# Allegro board 1155001-Timing_board_V3_20241024_1805_pcb.brd (continued)
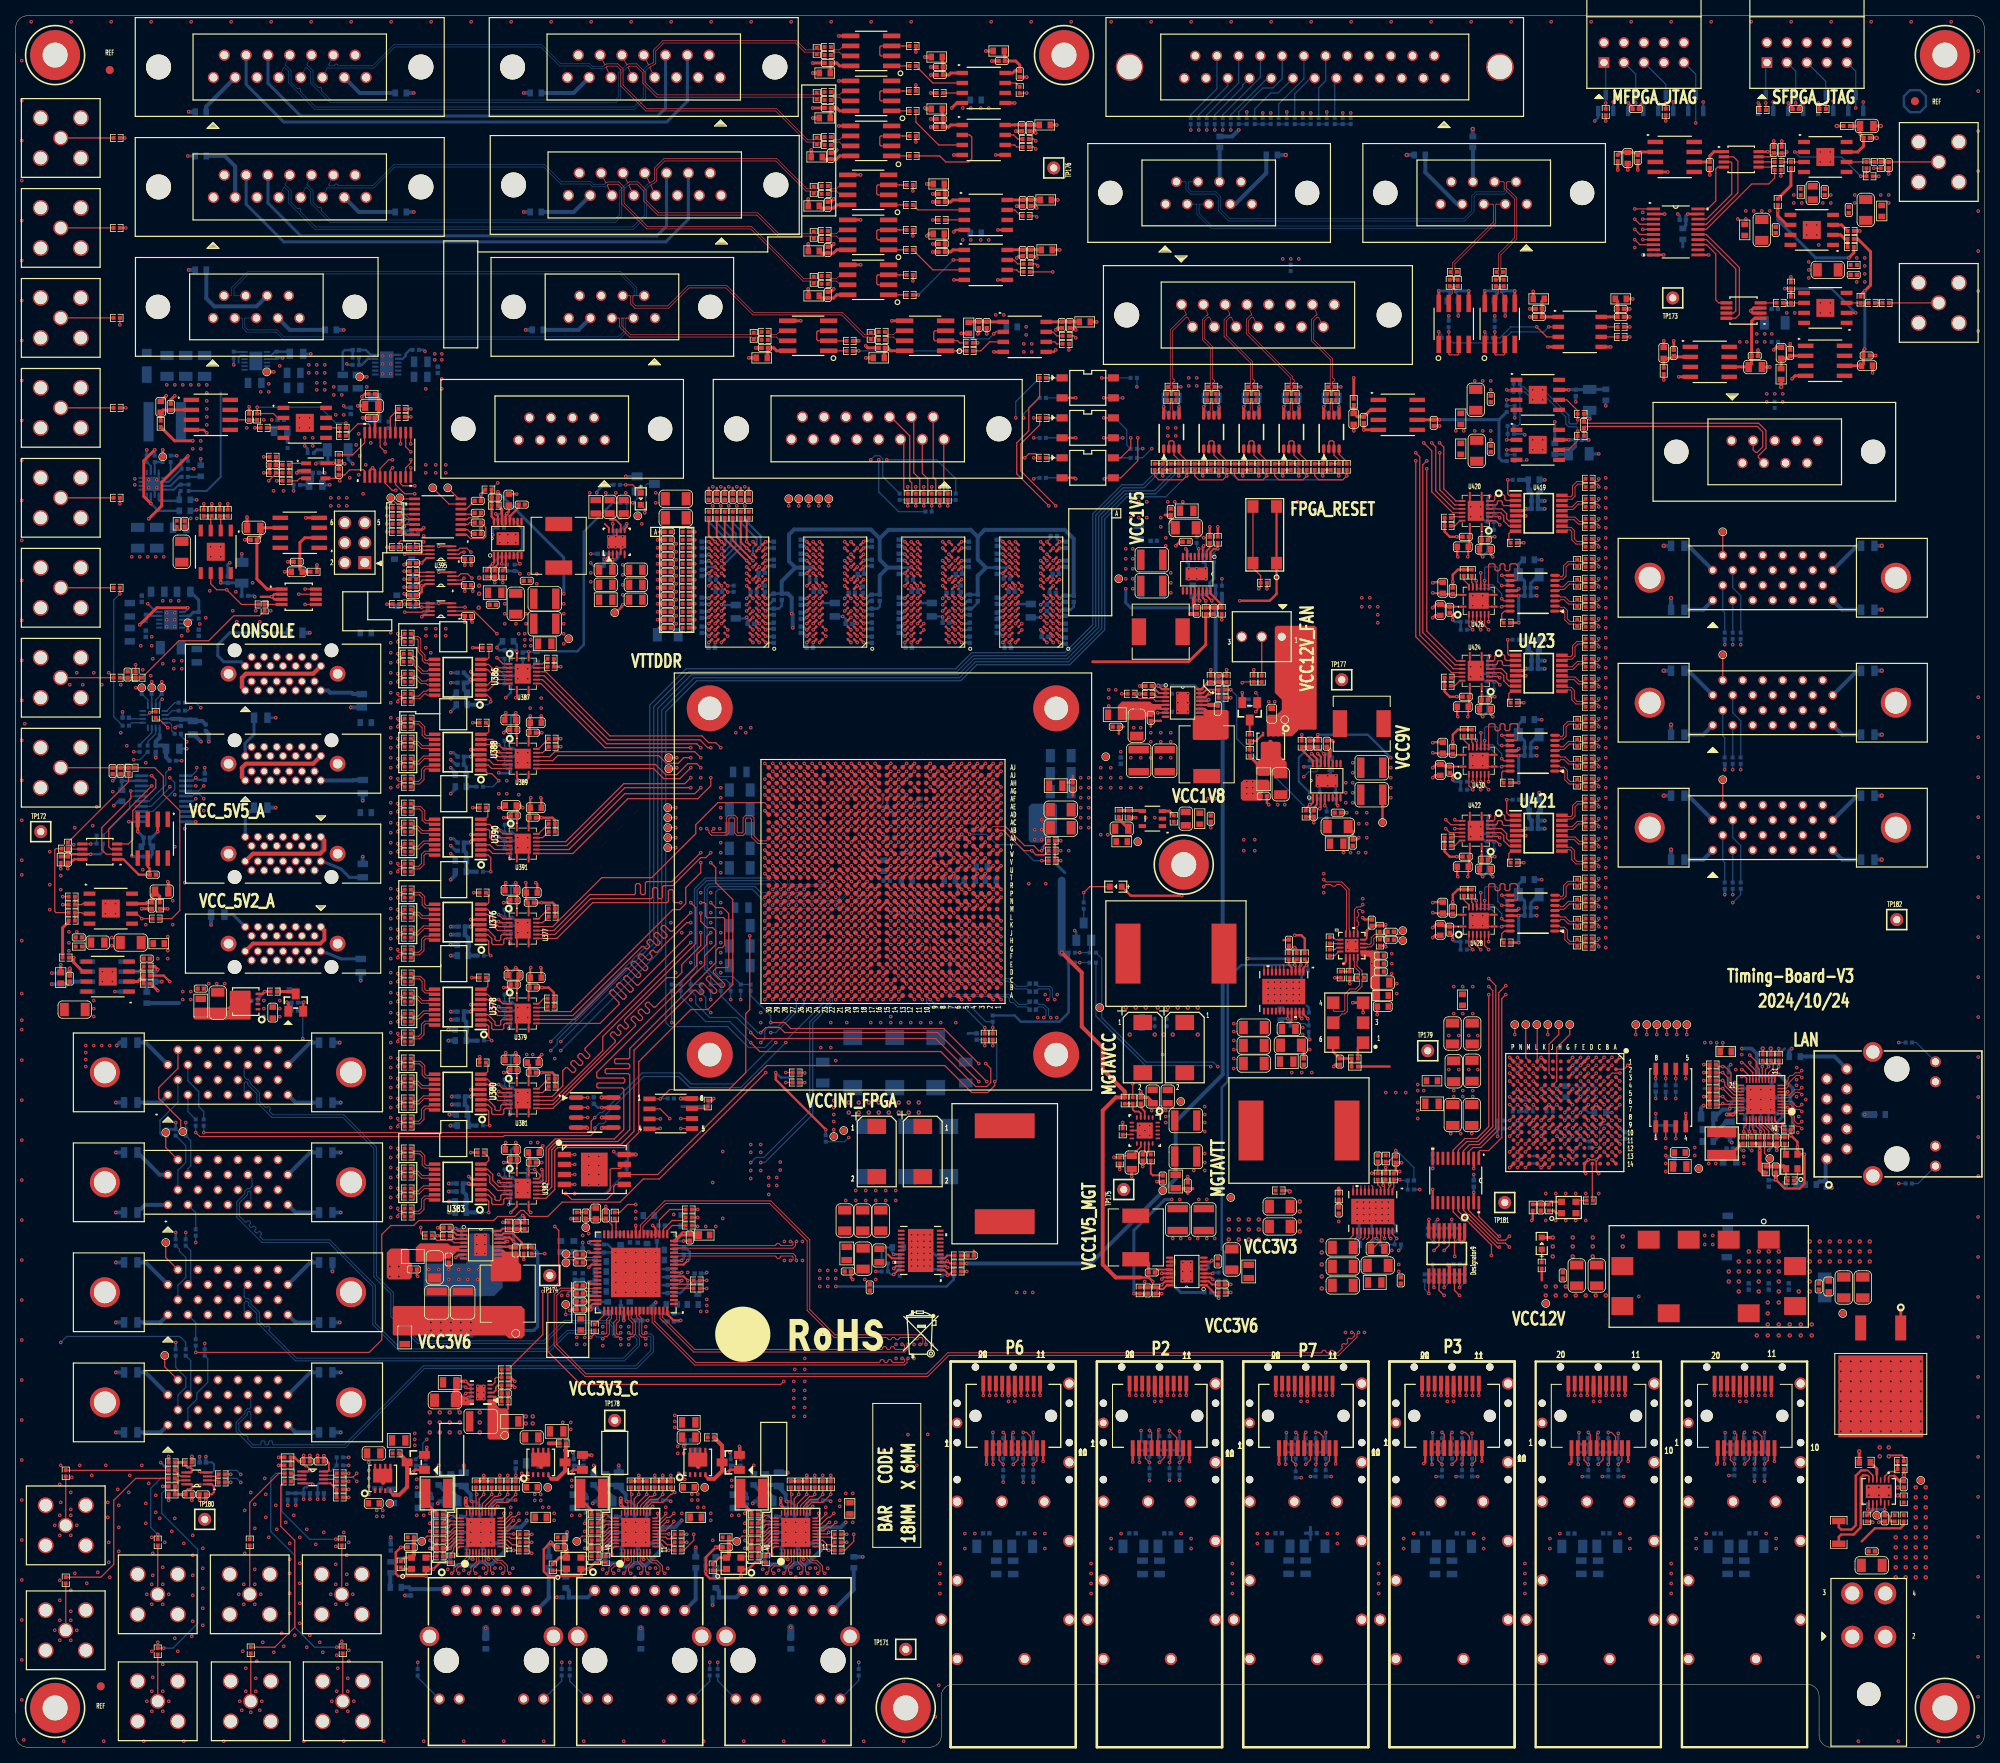
[diagram p0: board, top side]
## Routing (per net, layer and track width the routed paths; a pad name or vN(x,y) marks a point on that pad's centre or on a via; arc(x,y) is an arc through that point) (continued)
GND_EARTH:
  vias: v1(244.17,0.76) v1(249.22,67.38) v1(249.22,62.3) v1(249.22,57.22) v1(249.22,52.14) v1(249.22,47.06) v1(249.22,41.98) v1(249.22,36.9) v1(249.22,31.82) v1(249.22,26.74) v1(249.22,21.66) v1(249.22,16.58) v1(249.22,11.5) v1(249.22,6.42) v1(249.22,1.34)
VCC1V5: length 34.6
  TOP w0.254: v1(151.13,145.67) 150.74,146.06 U116.14
  TOP w0.381: C1192.2 R1072.2 151.13,140.08 148.97,137.92 136.78,137.92
  BOTTOM w0.381: v1(151.13,145.67) 151.13,145.03 150.86,144.76 141.62,144.76 140.97,145.41 v1(140.97,147.19)
  vias: v1(140.97,152.27) v1(140.97,151) v1(140.97,149.73) v1(140.97,148.46) v1(141.86,152.27) v1(141.86,151) v1(141.86,149.73) v1(141.86,148.46) v1(141.86,147.19)
VCC1V5_FPGA: length 137.6
  TOP w0.254: U76.D2 v1(131.77,142.77) ; U78.R9 v1(100.47,152.37) ; U78.N9 v1(100.47,150.77) ; U77.D9 v1(88.03,142.77) ; U77.N9 v1(88.03,150.77) ; U78.C9 v1(100.47,141.97) ; U77.K8 v1(89.63,147.57) ; v1(114.52,147.57) 114.52,147.57 U75.K8 ; U78.F1 v1(107.67,144.37) ; U78.A1 v1(107.67,140.37) ; U75.R9 v1(112.92,152.37) ; U77.C1 v1(95.23,141.97) ; U78.H2 v1(106.87,145.97) ; U78.A8 v1(101.27,140.37) ; U75.N9 v1(112.92,150.77) ; U77.E9 v1(88.03,143.57) ; U75.A1 v1(120.12,140.37) ; U75.C1 v1(120.12,141.97) ; U77.A8 v1(88.83,140.37) ; U75.E9 v1(112.92,143.57) ; U77.R9 v1(88.03,152.37) ; U75.B2 v1(119.32,141.17) ; U75.A8 v1(113.72,140.37) ; U77.F1 v1(95.23,144.37) ; U78.D2 v1(106.87,142.77) ; U77.B2 v1(94.43,141.17) ; U75.F1 v1(120.12,144.37) ; v1(102.07,147.57) 102.07,147.57 U78.K8 ; U77.A1 v1(95.23,140.37) ; U75.H9 v1(112.92,145.97) ; U75.G7 v1(114.52,145.17) ; U78.D9 v1(100.47,142.77) ; U77.C9 v1(88.03,141.97) ; U75.H2 v1(119.32,145.97) ; U77.D2 v1(94.43,142.77) ; U75.C9 v1(112.92,141.97) ; U77.H2 v1(94.43,145.97) ; U75.D9 v1(112.92,142.77) ; U77.G7 v1(89.63,145.17) ; U77.H9 v1(88.03,145.97) ; U78.E9 v1(100.47,143.57) ; U78.C1 v1(107.67,141.97) ; U78.G7 v1(102.07,145.17) ; U78.B2 v1(106.87,141.17) ; U75.D2 v1(119.32,142.77) ; U78.H9 v1(100.47,145.97)
  TOP w0.305: U247.AJ5 v1(121.14,124) ; U247.AH18 v1(107.14,123) ; U76.K8 126.57,147.97 v1(126.96,147.57) ; U247.AF4 v1(122.14,121) ; U247.AC3 v1(123.14,118) ; U76.N1 v1(132.57,150.77) ; U247.AJ15 v1(111.14,124) ; U76.A8 v1(126.17,140.37) ; U76.B2 v1(131.77,141.17) ; U75.K2 v1(119.32,148.37) ; U76.C9 v1(125.37,141.97) ; U247.AK2 v1(124.14,125) ; U78.K2 v1(106.87,148.37) ; U76.R9 v1(125.37,152.37) ; U247.AH8 v1(117.14,122) ; U247.AK12 v1(114.14,125) ; U76.F1 v1(132.57,144.37) ; U247.AE17 v1(109.14,120) ; U247.AD10 v1(116.14,119) ; U75.R1 v1(120.12,152.37) ; U247.AG1 v1(124.14,121) ; U75.N1 v1(120.12,150.77) ; U247.Y12 v1(114.14,115) ; U77.N1 v1(95.23,150.77) ; U247.AE7 v1(119.14,120) ; U78.R1 v1(107.67,152.37) ; U76.R1 v1(132.57,152.37) ; U76.K2 v1(131.77,148.37) ; U247.AA9 v1(117.14,116) ; U247.AA19 v1(106.14,115) ; U76.H2 v1(131.77,145.97) ; U247.AB16 v1(110.14,116) ; U77.R1 v1(95.23,152.37) ; U78.N1 v1(107.67,150.77) ; U77.K2 v1(94.43,148.37) ; U76.D9 v1(125.37,142.77) ; U76.A1 v1(132.57,140.37) ; U76.H9 v1(125.37,145.97) ; U76.E9 v1(125.37,143.57) ; U247.AF14 v1(112.14,121) ; U247.AG11 v1(114.14,122) ; U76.G7 v1(126.97,145.17) ; U76.N9 v1(125.37,150.77) ; U76.C1 v1(132.57,141.97) ; U247.AC13 v1(113.14,118)
  BOTTOM w0.203: R162.1 112.85,113.6 112.9,113.54 113.35,113.54 113.67,113.85 113.67,114.53 v1(114.14,115) ; R163.1 121.78,116.59 121.91,116.46 122.24,116.46 122.68,116.9 122.68,117.54 v1(123.14,118)
  BOTTOM w0.305: v1(119.14,120) 118.64,119.5 C512.1 ; C187.1 122.17,145.41 121.43,144.67 C533.1 120.42,144.67 v1(120.12,144.37) ; v1(131.77,141.17) 131.69,141.1 C571.1 ; v1(114.14,125) U247.AK12 C513.1 ; C566.1 127.04,145.25 v1(126.97,145.17) ; C510.1 123.64,124.5 v1(124.14,125) ; v1(132.57,150.77) 132.57,150.77 C572.1 ; v1(119.32,145.97) 119.02,146.27 C528.1 ; v1(88.83,140.37) 88.79,140.33 C587.1 ; v1(120.12,150.77) 120.12,150.77 C539.1 ; C530.1 121.1,140.37 v1(120.12,140.37) ; v1(112.92,143.57) 112.71,143.36 C534.1 ; v1(94.43,148.37) 94.34,148.45 C593.1 ; C588.1 89.68,145.12 v1(89.63,145.17) ; v1(113.14,118) 113.64,117.5 C515.1 ; C574.1 97.28,145.03 96.92,144.67 C578.1 95.53,144.67 v1(95.23,144.37) ; v1(131.77,145.97) 131.73,145.97 C557.1 ; v1(125.37,145.97) 124.68,145.97 C568.1 ; v1(95.23,140.37) 95.28,140.32 C594.1 ; C570.1 132.58,152.38 v1(132.57,152.37) ; v1(125.37,150.77) 125.28,150.86 C569.1 ; C543.1 114.57,147.51 v1(114.52,147.57) ; v1(109.14,120) 109.57,120.44 C514.1 ; v1(114.52,145.17) 114.72,145.38 C250.1 ; C542.1 113.81,140.28 v1(113.72,140.37) ; v1(119.32,142.77) 119.22,142.88 C535.1 ; C615.1 100.27,143.36 v1(100.47,143.57) ; C591.1 95.24,152.38 v1(95.23,152.37) ; v1(107.67,150.77) 107.8,150.9 C608.1 ; v1(88.03,145.97) 87.93,146.07 C590.1 ; v1(94.43,142.77) 94.41,142.75 C579.1 ; v1(88.03,152.37) 88.02,152.38 C586.1 ; C592.1 94.13,146.27 v1(94.43,145.97) ; v1(125.37,152.37) 125.1,152.63 C567.1 ; R160.1 110.54,115.6 v1(110.14,116) ; C508.1 106.64,122.5 v1(107.14,123) ; C536.1 121.03,141.97 v1(120.12,141.97) ; C583.1 87.95,143.49 v1(88.03,143.57) ; C531.1 120.13,152.38 v1(120.12,152.37) ; v1(122.14,121) 121.64,120.5 C517.1 ; C532.1 112.65,152.63 v1(112.92,152.37) ; v1(89.63,147.57) 89.68,147.52 C581.1 ; C519.1 120.64,123.5 v1(121.14,124) ; C559.1 126.89,147.49 126.96,147.57 v1(126.96,147.57) ; C540.1 119.36,148.41 v1(119.32,148.37) ; v1(102.07,147.57) 102.13,147.51 C620.1 ; C560.1 132.57,141.97 v1(132.57,141.97) ; v1(112.14,121) 112.1,121 C509.1 ; v1(107.67,141.97) 107.8,142.09 C607.1 ; v1(125.37,142.77) 124.98,142.39 C564.1 ; C582.1 87.61,142.39 v1(88.03,141.97) ; C580.1 95.35,142.09 v1(95.23,141.97) ; C616.1 102.28,145.38 v1(102.07,145.17) ; C538.1 112.83,150.86 v1(112.92,150.77) ; v1(112.92,145.97) 112.82,146.07 C529.1 ; C589.1 95.35,150.9 v1(95.23,150.77) ; C562.1 132.75,140.19 v1(132.57,140.37) ; C556.1 124.79,143.57 v1(125.37,143.57) ; v1(100.47,145.97) 100.44,145.94 C612.1 ; v1(132.57,144.37) 132.74,144.55 C561.1 134,144.55 134.37,144.91 C544.1 ; v1(106.87,148.37) 106.91,148.41 C621.1 ; C558.1 126.38,140.15 v1(126.17,140.37) ; v1(107.67,144.37) 107.92,144.37 108.22,144.67 C611.1 109.47,144.67 109.73,144.93 C576.1 ; v1(88.03,150.77) 87.86,150.6 C584.1 ; C610.1 100.06,142.39 v1(100.47,141.97) ; C618.1 106.7,146.56 106.7,146.15 v1(106.87,145.97) ; C541.1 112.54,142.39 v1(112.92,142.77) ; C609.1 100.39,150.86 v1(100.47,150.77) ; v1(131.77,148.37) 131.68,148.45 C565.1 ; C516.1 116.67,122.46 v1(117.14,122) ; C511.1 124.61,121.47 v1(124.14,121) ; C606.1 101.24,140.33 v1(101.27,140.37) ; C622.1 107.73,140.32 v1(107.67,140.37) ; C619.1 100.21,152.63 v1(100.47,152.37) ; v1(107.67,152.37) 107.81,152.51 C614.1 ; C617.1 106.85,142.75 v1(106.87,142.77) ; v1(117.14,116) 116.6,115.46 C518.1
  vias: v1(141.6,158.24) v1(141.6,156.24) v1(142.62,158.24) v1(142.62,156.24) v1(143.64,158.24) v1(143.64,156.24)
VCC1V5_MGT: length 30.6
  TOP w0.254: v1(142.01,57.64) R1107.2 C1223.2 ; v1(145.54,59.49) 145.76,59.7 U119.14
  TOP w0.381: C1230.2 148.84,70.36 ; C1230.2 149.5,70.97 ; C1230.2 148.23,70.97
  ART10 w0.305: v1(145.54,59.49) 146.1,59.49 147.45,60.83 147.45,69.22 v1(147.83,69.6)
  BOTTOM w0.381: v1(142.01,57.64) 142.01,65.68 145.92,69.6 v1(146.81,69.6)
  vias: v1(150.24,69.6) v1(151.26,69.6)
VCC1V5_MGT_PG: length 156
  TOP w0.157: U247.J29 v1(96.14,103) ; v1(97.54,46.48) 97.16,46.1 71.75,46.1 67.56,50.29 67.56,57.66 68.96,59.05 68.96,65.66 v1(68.45,66.17)
  ART03 w0.117: v1(97.54,46.48) 97.54,47.62 98.55,48.64 116.33,48.64 119.38,51.69 134.62,51.69 142.11,59.18 v1(143.38,59.18)
  ART10 w0.117: v1(96.14,103) 95.63,103.5 94.49,103.5 93.98,103 93.98,102.11 88.49,96.61 81.26,96.61 68.58,83.93 68.58,66.29 v1(68.45,66.17)
  BOTTOM w0.254: R1110.1 v1(143.38,59.18)
VCC1V5_PG: length 348
  TOP w0.157: v1(51.44,66.04) 51.44,65.28 51.69,65.02 R1140.1 ; R2273.1 v1(61.85,147.98)
  ART03 w0.117: v1(51.44,66.04) 52.32,66.93 52.32,129.72 50.8,131.24 50.8,135.89 49.66,137.03 47.24,137.03 45.85,138.43 45.85,167.13 49.53,170.81 49.53,174.93 v1(51.97,177.37)
  ART08 w0.117: v1(61.85,147.98) 62.99,149.12 62.99,149.99 67.56,154.56 82.93,154.56 87.12,158.75 135,158.75 139.32,154.43 151.13,154.43 153.18,152.38 v1(153.18,148.46) 153.81,147.84 159.63,147.84 162.43,145.03 162.43,127.13 164.85,124.71 164.85,119.38 164.34,118.87 164.34,105.03 174.62,94.74 174.62,74.3 v1(175.77,73.15)
  ART10 w0.117: v1(51.97,177.37) 51.97,174.35 53.09,173.23 53.09,167 59.82,160.27 59.82,153.92 61.09,152.65 61.09,148.74 v1(61.85,147.98)
  BOTTOM w0.157: R1075.1 v1(153.18,148.46) ; v1(175.77,73.15) 175.24,73.15 R1149.2
  BOTTOM w0.305: R2083.1 51.79,177.55 v1(51.97,177.37)
VCC1V8: length 289.2
  TOP w0.229: C3069.1 182.75,144.93 182.76,144.92 U426.1 ; U430.1 182.76,124.6 182.75,124.61 C3077.1 ; U420.16 184.67,153.92 C3032.2 ; C3073.1 182.75,104.29 182.76,104.28 U428.1 ; C2887.2 65.14,85.61 U381.16 ; U379.16 65.14,96.4 C2878.2 ; U382.16 65.14,74.18 C2895.2 ; U422.16 184.67,113.28 C3037.2 ; U387.16 v1(65.14,139.19) ; U424.16 184.67,133.6 C3047.2 ; U389.16 65.14,128.79 C2913.2 ; U391.16 65.14,117.99 C2920.2 ; C2873.2 65.14,107.18 U377.16
  TOP w0.254: C3037.2 184.55,111.97 C3034.2 184.47,110.68 v1(184.4,110.62) ; v1(184.4,151.26) 184.47,151.32 C3030.2 184.55,152.61 C3032.2 ; C2920.2 65.26,119.3 C2919.2 65.34,120.59 v1(65.41,120.65) ; C2947.1 56.89,147.79 U395.1 ; C2913.2 65.26,130.09 C2912.2 v1(65.34,131.04) ; U394.1 56.89,151.09 C2945.1 ; C2873.2 64.83,107.49 C2874.2 64.83,109.79 v1(64.77,109.86) ; C2895.2 65.26,75.39 C2894.2 ; U396.1 56.89,143.85 C2949.1 ; C3047.2 184.55,132.29 C3044.2 184.47,131 v1(184.4,130.94) ; C2878.2 65.26,97.71 C2877.2 65.34,99 v1(65.41,99.06)
  TOP w0.305: R495.1 88.41,82.19 v1(88.65,82.42) ; 134.24,123.44 C1185.1 133.62,122.57 133.6,122.56 ; R456.1 v1(201.93,206.63) ; R455.1 v1(209.55,206.63) ; 142.87,59.69 143.89,59.69 v1(144.4,59.18) ; v1(155.45,145.67) 159.26,145.67 160.12,146.53 SW8.1 SW8.2 ; U431.10 v1(179.95,76.07) ; C2883.2 65.26,86.7 C2887.2 ; U115.14 151.09,133.43 151.51,133.86 v1(151.64,133.86) ; C2947.1 v1(57.03,146.89) ; v1(179.96,124.46) 180.41,124.91 180.9,124.91 C3078.1 181.26,124.88 181.53,124.61 C3077.1 ; R1076.1 v1(173.99,73.66) ; C1180.2 R1057.2 v1(153.78,136.9) ; U435.10 v1(209.29,189.61) ; v1(179.96,144.78) 180.41,145.23 180.9,145.23 C3070.1 181.25,145.2 181.53,144.93 C3069.1 ; R1058.1 v1(154.31,133.35) ; R3029.1 v1(49.33,149.43) ; C2949.1 v1(57.03,142.95) ; R1139.1 v1(64.52,61.98) ; v1(63.37,46.48) 62.87,46.99 R2402.1 ; v1(204.79,208.91) 205.34,208.36 C505.1 ; v1(179.96,104.14) 180.41,104.59 180.9,104.59 C3074.1 181.26,104.56 181.53,104.29 C3073.1 ; R3031.1 v1(49.4,145.24) ; U431.2 v1(185.16,73.53) ; R3027.1 v1(49.4,152.48) ; C2945.1 v1(57.03,150.19) ; U435.2 v1(209.41,194.81)
  TOP w0.381: L536.1 v1(205.36,184.02)
  TOP w0.508: v1(84.45,82.42) U6.8 ; U79.8 74.42,82.55 v1(74.4,82.57) ; U7.8 v1(78.74,75.31) ; 142.87,59.69 139.7,59.69 138.05,61.34 138.05,80.9 139.72,82.57 R1112.1 140.84,83.31 138.05,86.11 138.05,88.9 135.38,91.57 135.38,98.42 v2(132.84,100.97)
  ART03 w0.305: v1(139.06,124.46) 139.06,127.51 146.81,135.25 152.14,135.25 v1(153.78,136.9)
  ART03 w0.381: v1(60.58,154.05) 60.58,152.91 62.87,150.62 62.87,140.74 66.74,136.87 v1(66.74,133.3)
  ART08 w0.305: v1(155.45,145.67) 153.78,144 v1(153.78,136.9)
  ART10 w0.305: v1(163.6,124.57) 170.75,124.57 ; v1(185.16,73.53) 181.61,73.53 181.48,73.66
  BOTTOM w0.254: v1(144.4,59.18) R1109.1
  BOTTOM w0.305: v1(60.58,154.05) 60.58,154.66 60.88,154.97 R2280.1 ; C3085.1 209.29,189.61 v1(209.29,189.61) ; D2.2 v1(208.6,208.91) ; C2910.2 64.5,139.19 v1(65.14,139.19) 66.1,139.19 C2909.2 71.31,139.26 72.14,140.08 72.14,154.43 75.82,158.12 R220.1 ; v1(200.53,206.63) 200.98,207.07 D4.2 ; R498.1 77.74,74.46 C641.1 ; R341.2 R340.2 R342.2 ; R42.1 133.71,93.33 132.59,92.2 127.64,92.2 126.85,92.98 R4.1 ; D3.2 v1(204.79,208.91) ; D1.2 v1(212.41,209.04)
  BOTTOM w0.381: C3079.1 179.96,76.06 v1(179.95,76.07) ; R342.2 131.97,112.38 133.22,111.12 ; 84.58,81.41 87.63,81.41 v1(88.65,82.42) ; R1086.1 v1(163.6,124.57) ; v2(132.84,100.97) R395.1 R42.1 ; v1(78.74,75.31) 78.73,75.31 C641.1 77.74,76.56
  BOTTOM w1.016: v2(132.84,100.97) 132.84,110.11
  vias: v1(64.9,88.01) v1(65.34,132.03) v1(65.41,76.83) v1(65.66,88.01) v1(66.29,76.83) v1(66.74,132.03) v1(91.44,128.91) v1(92.08,129.54) v1(92.71,128.91) v1(93.34,129.54) v1(137.79,124.46) v1(137.79,123.19) v1(137.79,121.92) v1(139.06,123.19) v1(139.06,121.92) v1(140.34,123.19) v1(140.34,121.92) v1(141.6,121.92) v1(142.88,121.92) v1(182.63,96.65) v1(183.77,96.65) v1(185.04,96.65)
VCC1V8_FPGA: length 19.1
  TOP w0.305: U247.AA29 v1(97.14,116) ; U247.AB6 v1(120.14,117) ; U247.L29 v1(97.14,105) ; U247.T24 v1(101.14,111) ; U247.M26 v1(99.14,106) ; U247.P20 v1(105.14,109) ; U247.N23 v1(102.14,107) ; U247.AH28 v1(97.14,123) ; v1(101.14,114) U247.W25 ; U247.AB26 v1(99.14,117) ; U247.U21 v1(105.14,111) ; U247.K22 v1(103.14,104) ; U247.AK22 v1(103.14,125) ; U247.Y22 v1(103.14,115) ; U247.AE27 v1(98.14,120) ; U247.AC23 v1(102.14,118) ; U247.AD30 v1(95.14,119) ; U247.AF24 v1(101.14,121) ; U247.R27 v1(98.14,109) ; U247.AD20 v1(106.14,119) ; U247.J25 v1(100.14,103) ; U247.V28 v1(97.14,113) ; U247.P30 v1(95.14,108) ; U247.AG21 v1(105.14,122) ; U247.T9 v1(117.14,111) ; U247.AJ25 v1(100.14,124)
  ART03 w0.305: v1(120.14,117) 119.63,116.5
VCC1V8_PG: length 44.5
  TOP w0.254: R1060.1 v1(154.31,134.37)
  ART08 w0.117: v1(154.31,134.37) 152.65,136.02 152.65,150.88 151.64,151.89 151.64,152.91 v1(150.88,153.67)
  BOTTOM w0.157: R1051.1 165.12,118.09 155.07,128.14 155.07,133.6 v1(154.31,134.37) ; R1067.1 150.73,153.82 v1(150.88,153.67)
VCC1V8_S_FPGA: length 13.5
  TOP w0.305: U88.N2 v1(190.72,86.64) ; U88.K2 v1(193.72,86.64) ; U88.G2 v1(197.72,86.64) ; U88.F10 v1(198.72,77.65) ; U88.H10 v1(196.72,77.64) ; U88.K10 v1(193.72,77.65) ; U88.L9 v1(192.72,78.65)
  BOTTOM w0.305: C794.1 194.2,86.17 v1(193.72,86.64) 193.25,86.17 C774.1 ; C771.1 190.25,87.11 v1(190.72,86.64) 191.19,87.11 C797.1 ; C796.1 193.22,78.15 v1(192.72,78.65) ; v1(196.72,77.64) 196.25,77.18 C793.1 ; C792.1 198.25,77.17 v1(198.72,77.65) 199.39,76.98 R788.2 ; v1(202.72,80.64) 202.72,80.65 L40.2 ; C773.1 198.19,87.11 v1(197.72,86.64) ; v1(193.72,77.65) 194.19,77.18 C795.1
  vias: v1(182.63,93.22) v1(183.77,93.22) v1(185.04,93.22)
VCC2V5_VREF: length 89.7
  TOP w0.305: v1(19.56,97.28) 18.8,98.04 R3127.2
  TOP w0.381: R3109.2 v1(24.89,157.99)
  ART08 w0.381: v1(4.57,96.96) 9.34,96.96 11.68,94.61 18.16,94.61 19.56,96.01 v1(19.56,97.28)
  ART10 w0.381: v1(19.56,97.28) 19.56,97.79 18.67,98.68 18.67,130.3 19.41,131.04 19.41,140.61 23.37,144.58 23.37,153.42 24.89,154.94 v1(24.89,157.99)
  BOTTOM w0.508: v1(4.57,96.96) C3010.1 6.56,96.96 C3011.2 6.88,97.28 U416.6
VCC2V5_VREF_ACS: length 20.8
  TOP w0.381: R3341.2 233.93,191.64 235.56,190.02 235.56,185.78 v1(234.82,185.04) 234.3,184.51 R3346.2 ; v1(234.82,177.67) 234.66,177.51 C3101.2 234.66,175.8 C3100.1 234.4,175.53 U439.6
  BOTTOM w0.381: v1(234.82,177.67) v1(234.82,185.04)
VCC3V3: length 299.2
  TOP w0.229: U382.1 63.64,74.03 63.65,74.04 C2896.2 ; U430.16 182.62,126.1 C3075.1 ; C2875.2 63.62,106.98 63.64,106.97 U377.1 ; C3035.2 186.16,113.41 186.17,113.42 U422.1 ; U424.1 186.17,133.74 186.16,133.73 C3046.2 ; C3067.1 182.62,146.42 U426.16 ; U420.1 186.17,154.06 186.16,154.05 C3031.2 ; U353.8 39.59,35.04 39.77,35.22 39.77,36.15 39.6,36.32 C2801.1 ; C2879.2 63.65,96.27 63.64,96.26 U379.1 ; C3071.1 182.62,105.78 U428.16 ; C2888.2 63.62,85.42 63.64,85.4 U381.1 ; U387.1 v1(63.64,139.19) ; C2921.2 63.65,117.7 63.64,117.69 U391.1 ; U389.1 63.64,128.54 63.6,128.58 C2914.2
  TOP w0.254: U352.1 24.91,33.41 25.16,33.16 25.16,32.38 24.91,32.13 C2800.1 ; v1(179.96,146.69) 180.02,146.62 C3068.1 181.31,146.54 C3067.1 ; C3075.1 181.31,126.22 C3076.1 180.03,126.3 v1(179.96,126.36) ; v1(179.96,106.05) 180.03,105.98 C3072.1 181.31,105.9 C3071.1
  TOP w0.305: v1(192.53,66.93) 192.66,67.06 L55.2 ; R3352.1 R3339.1 v1(165.99,161.54) ; v1(49.35,154.31) 49.59,154.06 U3.16 ; v1(63.5,99.06) 63.95,98.61 63.95,98.12 C2880.2 63.92,97.76 63.65,97.49 C2879.2 ; C2896.2 63.65,75.48 63.56,75.56 C2897.2 63.56,76.77 v1(63.5,76.83) ; C799.1 225.66,208.36 v1(225.11,208.91) ; v1(186.31,130.94) 185.86,131.38 185.86,131.88 C3045.2 185.89,132.23 186.16,132.51 C3046.2 ; v1(145.67,161.54) R3375.1 R3376.1 ; C2914.2 63.6,130.14 63.51,130.23 C2915.2 63.5,130.54 v1(63.5,131.44) ; DS10.1 141.6,108.2 v1(148.08,108.2) ; v1(176,74.28) C2632.2 175.26,73.17 R1085.2 ; U89.8 v1(208.28,84.96) ; U88.M7 v1(191.72,81.64) ; L266.1 44.32,171.96 v1(43.94,171.58) ; v1(221.3,208.91) 221.47,208.74 R668.1 ; v1(186.31,110.62) 185.89,111.04 C3036.2 185.89,111.91 186.16,112.19 C3035.2 ; v1(64.39,119.38) 64.05,119.72 63.62,119.72 C2922.2 63.56,119.38 63.65,119.3 C2921.2 ; v1(102.87,78.49) 96.52,84.84 v1(96.52,85.72) ; v1(63.5,109.86) 63.56,109.79 63.56,108.92 C2876.2 63.54,108.61 63.65,108.5 63.65,107.65 C2875.2 ; v1(150.75,161.54) R3367.1 R3368.1 ; v1(186.31,151.26) 185.86,151.7 185.86,152.2 C3033.2 185.89,152.55 186.16,152.83 C3031.2 ; v1(63.5,88.27) 63.56,88.2 63.56,87.35 C2884.2 63.54,87.02 63.65,86.91 63.65,86.08 C2888.2 ; v1(155.83,161.54) R3359.1 R3360.1 ; v1(160.91,161.54) R3383.1 R3384.1 ; R1115.1 v1(140.21,73.41) ; R1928.1 v1(157.23,136.91) ; U431.19 v1(185.16,70.48) ; R667.1 229.09,208.74 v1(228.92,208.91)
  TOP w0.356: L396.1 v1(19.41,31.37) ; C2800.1 v1(24.15,31.37)
  TOP w0.381: L461.1 v1(137.29,181.1) ; L469.1 v1(123.19,215.52) ; U432.16 184.01,61.2 v1(184.15,61.34) ; L398.1 v1(33.38,36.83) ; C2801.1 v1(39.14,37.05) ; L474.1 v1(132.59,190.25) ; L476.1 v1(132.33,196.6) ; R2621.1 v1(19.41,36.96) ; L467.1 v1(132.21,206.12)
  BOTTOM w0.254: U351.8 38.49,33.54 38.33,33.38 C2797.1 ; C2796.1 24.93,36.2 25.19,35.94 25.19,35.17 24.93,34.91 U350.1
  BOTTOM w0.305: R3177.1 R3180.1 R3183.1 ; R3177.1 R3179.1 ; R3177.1 R3178.1 v1(222.1,40.01) ; v1(62.23,133.35) 62.88,134 R2953.2 ; R660.1 v1(209.55,82.42) ; v1(188.19,77.62) R787.1 R784.1 ; R2057.1 R2054.1 R2051.1 ; v1(191.72,81.64) 191.88,81.49 R785.1 R786.2 ; R2187.1 v1(163.45,207.65) ; v1(63.5,131.44) 62.88,130.83 R2977.2 ; R87.1 74.68,160.4 73.79,159.51 v1(73.79,159.38) ; v1(63.5,109.86) 62.88,109.24 R2874.2 ; C798.1 v1(208.28,84.96) ; R2184.1 v1(168.53,207.65) ; v1(208.28,80.52) R658.1 R659.1 ; R2409.1 v1(118.36,160.15) ; R132.1 R128.1 R127.1 ; R132.1 R131.1 ; R132.1 180.34,66.8 v1(180.59,67.06) ; R2053.1 R2051.1 ; R2051.1 R2052.1 v1(129.22,40.01) ; v1(64.39,119.38) 63.63,119.38 62.88,118.64 R2995.2 ; R2354.1 v1(158.37,207.65) ; R2875.2 62.88,102.25 v1(62.74,102.11) ; v1(96.52,85.72) 97.16,85.09 98.66,85.09 ; R3215.2 186.92,111.23 v1(186.31,110.62) ; U324.10 v1(22.86,117.6) ; R18.1 R23.1 v1(147.79,40.13) ; R18.1 R22.1 R520.1 ; R18.1 R21.1 ; R1199.1 v1(102.87,78.49) ; R14.1 R392.1 ; R392.1 R13.1 R516.1 ; R392.1 R391.1 v1(184.95,39.88) ; L485.2 v1(168.28,172.85) ; C140.1 v1(184.15,61.34) 184.15,60.22 R123.1 R124.1 R134.1 R133.1 R129.1 ; R127.1 v1(182.37,67.06) ; R127.1 R513.1 ; R3199.2 186.92,151.87 v1(186.31,151.26) ; v1(198.52,39.98) 198.52,38.73 198.79,38.46 R3195.1 R3193.1 R3192.1 ; R2462.1 98.66,85.09 ; 98.66,85.09 R2461.1 ; R3231.2 186.92,131.55 v1(186.31,130.94) ; R2898.2 62.88,91.59 v1(62.61,91.31) ; R3188.1 R3191.1 R3194.1 ; R3188.1 R3189.1 v1(203.52,39.88) ; R3188.1 R3190.1 ; R2063.1 R2064.1 R2066.1 161.64,38.46 161.37,38.73 v1(161.37,39.98) ; v1(62.61,68.96) 62.88,69.23 R2922.2 ; v1(142.92,40.24) 142.92,38.99 143.2,38.72 R521.1 R19.1 R20.1 ; R2621.1 v1(19.41,36.96) ; v1(187.2,138.68) 186.92,138.41 R3232.2 ; v1(217.1,39.98) 217.1,38.73 217.37,38.46 R3184.1 R3182.1 R3181.1 ; v1(185.16,70.48) 185.17,70.5 C3080.1 ; R2916.2 62.88,80.54 v1(62.74,80.39) ; D8.2 v1(221.3,208.91) ; L512.2 v1(153.03,172.85) ; U324.2 22.47,122.8 v1(22.86,123.19) 23.13,122.92 C2599.1 ; R2055.1 R2056.1 R2058.1 124.41,38.46 124.09,38.78 v1(124.09,40.01) ; v1(187.2,118.36) 186.92,118.09 R3216.2 ; v1(63.5,99.06) 62.88,98.44 R2897.2 ; R2412.1 v1(116.33,160.15) ; v1(187.2,159) 186.92,158.73 R3200.2 ; R2996.2 62.88,113.05 v1(62.74,112.9) ; R130.1 R129.1 ; R129.1 v1(179.96,61.34) ; R2415.1 v1(113.28,160.15) ; D6.2 v1(228.92,208.91) ; L513.2 v1(147.96,172.85) ; R2062.1 R2065.1 R2061.1 R2059.1 R2060.1 v1(166.37,40.01) ; R2958.2 62.88,139.34 C2908.2 63.46,139.37 v1(63.64,139.19) 63.64,140.08 C2911.2 ; v1(61.34,123.83) 61.41,123.76 62.67,123.76 62.88,123.97 R2978.2 ; v1(179.95,39.98) 179.95,38.73 180.22,38.46 R517.1 R12.1 R11.1 ; R1115.1 v1(140.21,73.41) ; L514.2 v1(163.19,172.85) ; R2921.2 62.88,75.84 63.5,76.45 v1(63.5,76.83) ; D7.2 v1(225.11,208.91) ; R2915.2 62.88,87.65 v1(63.5,88.27) ; L511.2 v1(158.12,172.85) ; D5.2 v1(232.73,209.04)
  BOTTOM w0.356: v1(49.35,154.31) 49.6,154.56 C2255.1
  BOTTOM w0.381: L438.1 55.81,132.33 55.81,132.14 v1(55.24,131.57) ; C2797.1 v1(38.33,31.52) ; L439.1 55.81,121.73 v1(55.24,121.16) ; L394.1 v1(35.56,30.73) ; L396.1 v1(19.41,31.37) ; L494.1 v1(193.8,110.24) ; L495.1 v1(193.8,130.56) ; C2796.1 v1(24.15,36.94) ; L493.1 v1(193.8,150.88)
  BOTTOM w0.508: L491.1 v1(194.18,161.04) ; L492.1 v1(194.18,140.72) ; v1(24.51,127.76) 24.51,128.76 L48.1 ; L437.1 55.81,110.81 v1(55.24,110.24) ; L433.1 v1(55.24,100.58) ; L490.1 v1(193.49,121.28) ; L434.1 v1(54.95,89.79) ; L436.1 v1(54.99,67.94) ; L432.1 v1(55.2,78.99)
  vias: v1(50.67,39.88) v1(50.67,39.12) v1(50.67,38.35) v1(69.47,41.27) v1(70.48,41.27) v1(70.48,40.39) v1(72.9,159.38) v1(83.69,42.16) v1(83.69,41.4) v1(83.69,40.64) v1(89.53,107.31) v1(89.53,106.05) v1(117.36,23.34) v1(117.36,22.07) v1(117.36,20.8) v1(117.36,19.53) v1(136.57,23.34) v1(136.57,19.53) v1(151.38,120.52) v1(152.27,120.52) v1(154.51,23.34) v1(154.51,22.07) v1(154.51,20.8) v1(154.51,19.53) v1(173.09,23.34) v1(173.09,22.07) v1(173.09,20.8) v1(173.09,19.53) v1(178.05,84.2) v1(178.05,83.44) v1(178.82,83.44) v1(191.66,23.34) v1(191.66,22.07) v1(191.66,20.8) v1(191.66,19.53) v1(209.55,74.17) v1(209.55,73.15) v1(210.24,23.34) v1(210.24,22.07) v1(210.24,20.8) v1(210.24,19.53) v2(154.05,67.06) v2(154.05,65.79) v2(154.05,64.52) v2(155.32,67.06) v2(155.32,65.79) v2(155.32,64.52) v2(156.59,67.06) v2(156.59,65.79) v2(156.59,64.52) v2(157.86,67.06) v2(157.86,65.79) v2(157.86,64.52)
VCC3V3_1: length 7.2
  TOP w0.381: U376.4 58.03,104.51 v1(57.78,104.27)
  BOTTOM w0.508: v1(57.78,104.27) C2890.1 C2889.2 57.47,102.82 C2885.1 L433.2 R2876.1
VCC3V3_2: length 7.5
  TOP w0.381: v1(57.78,93.47) 58.03,93.72 U378.4
  BOTTOM w0.508: v1(57.78,93.47) C2893.1 C2892.2 57.22,92.16 C2891.1 L434.2 R2889.1
VCC3V3_3: length 7.1
  TOP w0.381: U380.4 58.03,82.92 v1(57.78,82.68)
  BOTTOM w0.508: v1(57.78,82.68) C2882.1 C2886.2 57.34,81.36 C2881.1 57.47,80.26 L432.2 R2905.1
VCC3V3_4: length 7.4
  TOP w0.381: U383.4 57.67,71.49 v1(57.53,71.63)
  BOTTOM w0.508: R2925.1 L436.2 C2904.1 57.22,70.19 C2906.2 C2907.1 v1(57.53,71.63)
VCC3V3_6: length 7.7
  TOP w0.305: v1(57.78,135.63) U386.4
  BOTTOM w0.508: R2955.1 L438.2 57.22,132.59 57.22,133.86 C2923.1 56.92,134.41 C2924.2 57.41,135.25 v1(57.78,135.63) 56.92,136.5 C2925.1
VCC3V3_7: length 7.5
  TOP w0.381: v1(57.78,125.86) 58.03,126.1 U388.4
  BOTTOM w0.381: R2969.1 L439.2 C2926.1 57.22,124.54 C2927.2 C2928.1 v1(57.78,125.86)
VCC3V3_8: length 7.4
  TOP w0.381: U390.4 58.03,115.31 v1(57.78,115.06)
  BOTTOM w0.508: R2987.1 L437.2 C2916.1 57.22,113.62 C2917.2 C2918.1 57.66,114.94 v1(57.78,115.06)
VCC3V3_9: length 7.2
  TOP w0.381: v1(191.77,157.35) 191.52,157.11 U419.4
  BOTTOM w0.508: v1(191.77,157.35) C3043.1 C3042.2 192.51,159.34 C3041.1 192.09,159.77 L491.2 R3201.1
VCC3V3_10: length 7.2
  TOP w0.381: U421.4 191.52,116.47 v1(191.77,116.71)
  BOTTOM w0.508: v1(191.77,116.71) C3040.1 C3039.2 192.21,118.03 C3038.1 192.09,119.13 L490.2 R3217.1
VCC3V3_11: length 7.2
  TOP w0.381: U423.4 191.52,136.79 v1(191.77,137.03)
  BOTTOM w0.508: v1(191.77,137.03) C3050.1 C3049.2 192.51,139.02 C3048.1 L492.2 R3233.1
VCC3V3_12: length 11.6
  TOP w0.305: U425.13 v1(190.87,146.3) ; R3245.1 v1(190.88,142.88)
  BOTTOM w0.381: L493.2 190.83,150.25 C3060.1 191.62,148.17 C3053.1 C3052.2 190.88,146.3 v1(190.87,146.3) 190.87,142.88 v1(190.88,142.88)
VCC3V3_13: length 11.6
  TOP w0.305: R3257.1 v1(190.88,102.23) ; U427.13 v1(190.88,105.66)
  BOTTOM w0.381: L494.2 190.83,109.61 C3063.1 191.63,107.53 C3062.1 C3061.2 190.88,105.66 v1(190.88,105.66) 190.88,102.24 v1(190.88,102.23)
VCC3V3_14: length 11.6
  TOP w0.305: U429.13 v1(190.88,125.98) ; R3267.1 v1(190.88,122.56)
  BOTTOM w0.381: v1(190.88,122.56) 190.88,122.56 v1(190.88,125.98) 190.88,125.98 C3064.2 C3065.1 191.63,127.85 C3066.1 190.83,129.93 L495.2
VCC3V3_C: length 5.3
  TOP w0.305: L54.2 174.49,86.49
  BOTTOM w0.508: v1(81.28,56.52) 80.71,55.95 L64.1
  vias: v1(71.25,52.07) v1(71.25,51.18) v1(72.01,65.02) v1(72.26,52.07) v1(72.26,51.18) v1(72.77,65.28) v1(78.74,68.07) v1(78.74,67.18) v1(87,55.37) v1(87.63,66.17) v1(87.76,56.9) v1(87.76,56.13) v1(87.76,55.37) v1(88.9,66.17) v1(127.13,57.78) v1(128.14,57.78) v1(129.16,57.78) v1(173.99,83.19) v1(175.26,83.19) v1(176.53,83.19) v2(64.77,42.04) v2(64.77,41.15) v2(65.66,42.04) v2(65.66,41.15)
VCC3V3_C_BUF1: length 4.6
  TOP w0.305: R987.1 v1(169.42,97.03)